# Altium PCB led-esp32s2.PcbDoc (continued)
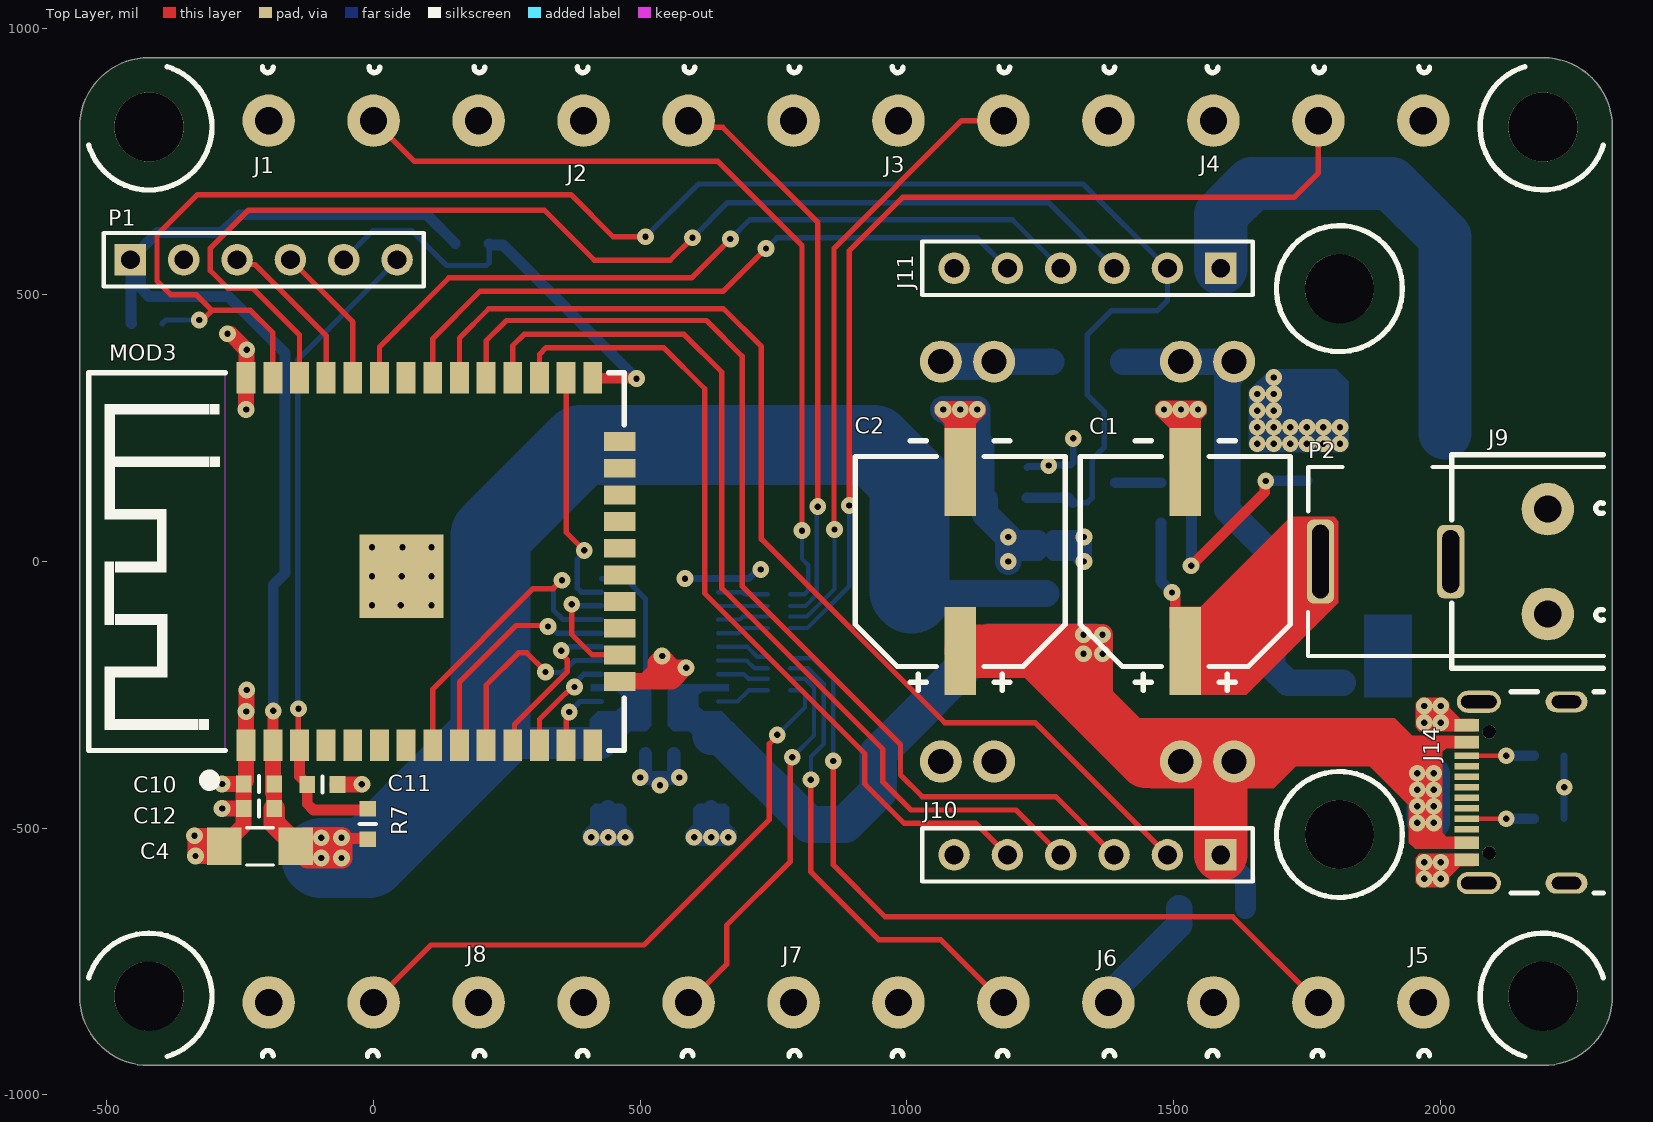
[diagram p0: Top Layer view]
## Footprints (in the part's own frame and the unit in brackets; to place one, negate y for a bottom-side part, rotate by r counter-clockwise, add the part's x,y. Pads: shape width x height; smd on the part's side, far side on the other; paste and mask are expansions set on the pad)
C_0603_1608 [mm]
  rect 0.75x0.8 smd: 1(-0.725,0) 2(0.725,0)
  silkscreen extent 0,-0.38 0,0.38, body extent -0.85,-0.45 0.85,0.45, height 0.89
C_1206_3216 [mil]
  rect 64x70 smd: 1(-67,0) 2(67,0)
  silkscreen extent -25,-35 25,35, body extent -67,-35 67,35, height 39
CE_D_10x10_SMD [mm]
  rect 4.2x1.5 smd: 1(-4.262,0) 2(4.262,0)
  silkscreen extent -6.13,-5 5.75,5, body extent -5.8,-5.15 5.8,5.15, height 10.21
DPAK_TO252-3_SC63_M [mm] "D-PAK, 3-Pads+1-heatsink, Body 6,20x6,60mm (max), IPC Medium Density"
  rect 2.5x1 smd: 1(-4.2,2.28) 3(-4.2,-2.28)
  rect 6.2x5.5 smd: 2(2.362,0)
  silkscreen extent -4.32,-3.3 -1.15,3.45, body extent -5.08,-3.37 5.02,3.37, height 2.37
FP-PW0020A-IPC_C [mm]
  rect 1.355x0.341 smd paste+0 mask+0: 1(-2.775,2.925)
  rrect100% 1.355x0.341 smd paste+0 mask+0: 2(-2.775,2.275) 3(-2.775,1.625) 4(-2.775,0.975) 5(-2.775,0.325) 6(-2.775,-0.325) 7(-2.775,-0.975) 8(-2.775,-1.625) 9(-2.775,-2.275) 10(-2.775,-2.925) 11(2.775,-2.925) 12(2.775,-2.275) 13(2.775,-1.625) 14(2.775,-0.975) 15(2.775,-0.325) 16(2.775,0.325) 17(2.775,0.975) 18(2.775,1.625) 19(2.775,2.275) 20(2.775,2.925)
  silkscreen extent -4.15,-3.25 1.6,3.25, body extent -3.2,-3.25 3.2,3.25, height 1.2
J_ARK2 [mm]
  round 2.5 hole 1.3: 1(-2.5,0) 2(2.5,0)
  silkscreen extent -5.08,-4.57 5.08,2.65, body extent -5,-4.6 5.6,3, height 10.05
J_ARK3 [mm]
  round 2.5 hole 1.3: 1(-5,0) 2(0,0) 3(5,0)
  silkscreen extent -5.29,2.29 5.29,2.57, body extent -7.46,-4.6 8.14,3, height 10.05
J_HEADER_1x6_2.54_VERTICAL [mm] "Connector; Header; 6 Position; Male-Female"
  rect 1.5x1.5 hole 0.9: 1(-6.35,0)
  round 1.5 hole 0.9: 2(-3.81,0) 3(-1.27,0) 4(1.27,0) 5(3.81,0) 6(6.35,0)
  silkscreen extent -7.87,-1.27 7.87,1.27, body extent -7.87,-1.27 7.87,1.27, height 8.5
J_USB_C_USB4105 [mm]
  rect 0.3x1.15 smd: A5(-1.25,4.755) A6(-0.25,4.755) A7(0.25,4.755) A8(1.25,4.755) B5(1.75,4.755) B6(0.75,4.755) B7(-0.75,4.755) B8(-1.75,4.755)
  rect 0.6x1.15 smd: AB49(-2.4,4.755) AB112(-3.2,4.755) BA49(2.4,4.755) BA112(3.2,4.755)
  round 0.65 hole 0.65 unplated: DNC(-2.89,3.68) DNC(2.89,3.68)
  oval 1x2 hole 0.6 slot 1.4 at 90 deg: MH(-4.32,0) MH(4.32,0)
  oval 1.05x2.1 hole 0.6 slot 1.7 at 90 deg: MH(-4.32,4.18) MH(4.32,4.18)
  silkscreen extent -4.79,-1.75 4.79,2.65, body extent -4.79,-2.6 4.79,5.11, height 3.31
MOD_BUCK_MP1584 [mm] "Normal"
  round 2 hole 1.2: 1(-9.525,-6.985) 2(-9.525,-4.445) 3(-9.525,4.445) 4(-9.525,6.985) 5(9.525,-6.985) 6(9.525,-4.445) 7(9.525,4.445) 8(9.525,6.985)
  body extent -11.25,-8.65 11.25,8.65, height 6.69
MOD_ESP_WROOM_32 [mm] "Normal"
  rect 1.5x0.9 smd: 1(-8.75,8.255) 2(-8.75,6.985) 3(-8.75,5.715) 4(-8.75,4.445) 5(-8.75,3.175) 6(-8.75,1.905) 7(-8.75,0.635) 8(-8.75,-0.635) 9(-8.75,-1.905) 10(-8.75,-3.175) 11(-8.75,-4.445) 12(-8.75,-5.715) 13(-8.75,-6.985) 14(-8.75,-8.255) 25(8.75,-8.255) 26(8.75,-6.985) 27(8.75,-5.715) 28(8.75,-4.445) 29(8.75,-3.175) 30(8.75,-1.905) 31(8.75,-0.635) 32(8.75,0.635) 33(8.75,1.905) 34(8.75,3.175) 35(8.75,4.445) 36(8.75,5.715) 37(8.75,6.985) 38(8.75,8.255)
  rect 0.9x1.5 smd: 15(-5.715,-9.55) 16(-4.445,-9.55) 17(-3.175,-9.55) 18(-1.905,-9.55) 19(-0.635,-9.55) 20(0.635,-9.55) 21(1.905,-9.55) 22(3.175,-9.55) 23(4.445,-9.55) 24(5.715,-9.55)
  rect 4x4 smd: EP1(-0.7,0.845)
  Keep-Out Layer region: -9.026,15.75 9,15.75 9,9.271 -9.026,9.271
  silkscreen extent -10.67,-9.75 9,15.75, body extent -9.05,-9.77 9.02,15.77, height 3
P_HEADER_1x6_2.54 [mm] "Connector; Header; 6 Position, Male"
  rect 1.5x1.5 hole 0.9: 1(-6.35,0)
  round 1.5 hole 0.9: 2(-3.81,0) 3(-1.27,0) 4(1.27,0) 5(3.81,0) 6(6.35,0)
  silkscreen extent -7.62,-1.27 7.62,1.27, body extent -7.52,-1.25 7.72,1.25, height 8.2
P_KLDX-0202-A [mm] "Connector; DC JACK"
  rrect50% 1.3x4 hole 0.8 slot 3.5 at 90 deg: 1(-6.2,0)
  rrect50% 1.3x3.5 hole 0.8 slot 3 at 90 deg: 2(0,0)
  silkscreen extent -6.8,-4.5 7.3,4.5, body extent -6.8,-4.5 7.7,4.9, height 10.8
R_0603_1608 [mm]
  rect 0.75x0.8 smd: 1(-0.725,0) 2(0.725,0)
  silkscreen extent -0.15,-0.3 0.15,0.3, body extent -0.87,-0.47 0.88,0.48, height 0.54
R_NC_0603_1608 [mm]
  rect 0.75x0.8 smd: 1(-0.725,0) 2(0.725,0)
  silkscreen extent 0,-0.38 0,0.38, body extent -0.87,-0.47 0.88,0.48, height 0.54
R_NC_1206_3216 [mil]
  rect 64x70 smd: 1(-67,0) 2(67,0)
  silkscreen extent -104,-40 104,40, body extent -64,-32 64,32, height 27
RN4_0804_2010 [mm]
  rrect55% 0.6x0.45 smd mask+0.05: 1(-0.525,0.8) 4(-0.525,-0.8) 5(0.525,-0.8) 8(0.525,0.8)
  rrect55% 0.6x0.35 smd mask+0.05: 2(-0.525,0.25) 3(-0.525,-0.25) 6(0.525,-0.25) 7(0.525,0.25)
  silkscreen extent 0,-1 0,1, body extent -0.5,-1 0.5,1, height 0.45
SOD123 [mm]
  rect 0.9x0.95 smd: 1(-1.575,0) 2(1.575,0)
  silkscreen extent -2.59,-0.79 2.34,0.79, body extent -1.86,-0.81 1.84,0.79, height 1.27
SOT23_TO236_SC59 [mil]
  rect 36x36 smd: 1(-37.5,-40) 2(37.5,-40)
  rect 36x50 smd: 3(0,40)
  silkscreen extent -57,-45 58,45, body extent -57,-55 57,55, height 51
SOT223_SC73 [mm]
  rect 1.5x2.5 smd: 1(-2.3,-3.2) 2(0,-3.2) 3(2.3,-3.2)
  rect 4.5x2.5 smd: 4(0,3.2)
  silkscreen extent -3.36,-0.25 3.34,2.9, body extent -3.36,-3.55 3.34,3.75, height 1.8

## Part data
C1 C2: library part CE_100uF_50V_AL2O3_10x10_20, "Polarized Capacitor", Dielectric=AL2O3, Manufacturer=Nichicon, Manufacturer Part Number=UUX1H101MNL1GS, Tolerance (%)=20, Voltage=50V, HelpURL=https://datasheet.octopart.com/UUX1H101MNL1GS-Nichicon-datasheet-62047998.pdf, Part Number=CE_100uF_50V_AL2O3_10x10_20, SCH_Footprint=10x10, Supplier 1=TME, Supplier 2="RS Components", Supplier 3=Farnell, Supplier 4=Mouser, Supplier 5=Digi-Key, Supplier 6=LCSC, Supplier Part Number 1=UUX1H101MNL1GS, Supplier Part Number 2=7393107, Supplier Part Number 3=2841943, Supplier Part Number 4=647-UUX1H101MNL1GS, Supplier Part Number 5=493-6269-1-ND
C3 C4 C6 C8 C13 C14: library part C_10uF_25V_X7R_1206_10, "Capacitor", Dielectric=X7R, Manufacturer=Samsung, Manufacturer Part Number=CL31B106KAHNNNE, Tolerance (%)=10, Voltage=25V, HelpURL=http://www.tme.eu/pl/Document/4a42202b32dab16128fe107dd69598cc/samsung-chip-cap.pdf, Part Number=C_10uF_25V_X7R_1206_10, SCH_Footprint=1206, Supplier 1=TME, Supplier 2="RS Components", Supplier 3=Farnell, Supplier 4=Mouser, Supplier 5=Digi-Key, Supplier 6=LCSC, Supplier Part Number 1=CL31B106KAHNNNE, Supplier Part Number 2=766-6773, Supplier Part Number 3=3013526, Supplier Part Number 4=187-CL31B106KAHNNNE, Supplier Part Number 5=1276-1804-1-ND
C7 C9 C10 C11 C12: library part C_100nF_50V_X7R_0603_5, "Capacitor", Dielectric=X7R, Manufacturer=Samsung, Manufacturer Part Number=CL10B104JB8NNNC, Tolerance (%)=5, Voltage=50V, HelpURL=http://www.tme.eu/pl/Document/4a42202b32dab16128fe107dd69598cc/samsung-chip-cap.pdf, Part Number=C_100nF_50V_X7R_0603_5, SCH_Footprint=0603, Supplier 1=TME, Supplier 2="RS Components", Supplier 3=Farnell, Supplier 4=Mouser, Supplier 5=Digi-Key, Supplier 6=LCSC, Supplier Part Number 1=CL10B104JB8NNNC, Supplier Part Number 2=7665455, Supplier Part Number 5=1276-1033-1-ND, Supplier Part Number 6=C24452
D1: library part D_1N4148W_0A15_75V_SOD123, Current=0.15A, Manufacturer=Vishay, Manufacturer Part Number=1N4148W-E3-08, Voltage=75, HelpURL=https://datasheet.octopart.com/1N4148W-E3-08-Vishay-datasheet-17291302.pdf, Part Number=D_1N4148W_0A15_75V_SOD123, SCH_Footprint=SOD123, Supplier 1=TME, Supplier 2="RS Components", Supplier 3=Farnell, Supplier 4=Mouser, Supplier 5=Digi-Key, Supplier 6=LCSC, Supplier Part Number 1=1N4148W-E3-08, Supplier Part Number 2=7003671, Supplier Part Number 3=2433353, Supplier Part Number 4=78-1N4148W-E3-08, Supplier Part Number 5=1N4148W-E3-08CT-ND
J1 J2 J3 J4 J5 J6 J7 J8: library part J_TB-5.0-P-3P, "ARK Screw terminal, 3-Pin", Manufacturer="DEGSON ELECTRONICS", Manufacturer Part Number=DG301-5.0-03P-12-18A(H), Supplier Part Number 1=DG301-5.0-3/6B, HelpURL=https://datasheet.octopart.com/DG301-5.0-03P-12-18A%28H%29-Degson-datasheet-17801202.pdf, Part Number=J_TB-5.0-P-3P, SCH_Footprint=ARK3, Supplier 1=TME, Supplier 2="RS Components", Supplier 3=Farnell, Supplier 4=Mouser, Supplier 5=Digi-Key, Supplier 6=LCSC
J9: library part J_TB-5.0-P-2P, "ARK Screw terminal, 2-Pin", Manufacturer="DEGSON ELECTRONICS", Manufacturer Part Number=DG301-5.0-02P-12-18A(H), Supplier Part Number 1=DG301-5.0-2/6B, HelpURL=https://datasheet.octopart.com/DG301-5.0-03P-12-18A%28H%29-Degson-datasheet-17801202.pdf, Part Number=J_TB-5.0-P-2P, SCH_Footprint=ARK2, Supplier 1=TME, Supplier 2="RS Components", Supplier 3=Farnell, Supplier 4=Mouser, Supplier 5=Digi-Key, Supplier 6=LCSC
J10 J11: library part J_HEADER_1x6_2.54_VERTICAL, "Pin Header", Manufacturer=Connfly, Manufacturer Part Number=DS1023-1*6S21, Supplier Part Number 1=ZL262-6SG, HelpURL=https://www.tme.eu/Document/584b1a60cf2e8809a936c5f5ff2de0d5/zl262-sg.pdf, Part Number=J_HEADER_1x6_2.54_VERTICAL, SCH_Footprint="1x6 2.54mm Vertical", Supplier 1=TME, Supplier 2="RS Components", Supplier 3=Farnell, Supplier 4=Mouser, Supplier 5=Digi-Key, Supplier 6=LCSC
J14: library part J_USB_C_USB4105-GF-A, Manufacturer=GCT, Manufacturer Part Number=USB4105-GF-A, HelpURL=https://www.mouser.pl/datasheet/2/837/USB4105-2888174.pdf, Part Number=J_USB_C_USB4105-GF-A, SCH_Footprint=SMD, Supplier 1=TME, Supplier 2="RS Components", Supplier 3=Farnell, Supplier 4=Mouser, Supplier 5=Digi-Key, Supplier 6=LCSC, Supplier Part Number 3=3588205, Supplier Part Number 4=640-USB4105-GF-A, Supplier Part Number 5=2073-USB4105-GF-ACT-ND
MOD1: library part MOD_BUCK_MP1584, Manufacturer=-, HelpURL=https://pl.aliexpress.com/item/32341006065.html, Manufacturer Part Number=-, Part Number=MOD_BUCK_MP1584, SCH_Footprint=17.3x22.5mm, Supplier 1=TME, Supplier 2="RS Components", Supplier 3=Farnell, Supplier 4=Mouser, Supplier 5=Digi-Key, Supplier 6=LCSC, Supplier 7=-, Supplier Part Number 7=-
MOD3: library part MOD_ESP32-WROOM-32, Manufacturer=ESPRESSIF, Manufacturer Part Number=ESP32-WROOM-32, HelpURL=https://www.espressif.com/sites/default/files/documentation/esp32_datasheet_en.pdf, Part Number=MOD_ESP32-WROOM-32, SCH_Footprint=MOD_ESP_WROOM_32, Supplier 1=TME, Supplier 2="RS Components", Supplier 3=Farnell, Supplier 4=Mouser, Supplier 5=Digi-Key, Supplier 6=LCSC, Supplier Part Number 1=ESP32-WROOM-32, Supplier Part Number 2=169-7594, Supplier Part Number 4=356-ESP-WROOM-32, Supplier Part Number 5=1904-1010-1-ND
P1: library part P_HEADER_1x6_2.54, "Pin Header", Manufacturer=Connfly, Manufacturer Part Number=DS1021-1*6SF1-1, Supplier Part Number 1=ZL201-06G, HelpURL=http://www.tme.eu/en/Document/cc301e58a5da78cb543a94b5a5b7f06a/DS1021.pdf, Part Number=P_HEADER_1x6_2.54, SCH_Footprint="1x6 2.54mm", Supplier 1=TME, Supplier 2="RS Components", Supplier 3=Farnell, Supplier 4=Mouser, Supplier 5=Digi-Key, Supplier 6=LCSC
P2: library part P_KLDX-0202-A, "Typical 3-pin jack power connector with switch", Manufacturer=Kycon, Manufacturer Part Number=KLDX-0202-A, HelpURL=http://www.kycon.com/2013Catalogpage/DC%20Power/KLDX_0202.pdf, Part Number=P_KLDX-0202-A, SCH_Footprint=THT, Supplier 1=TME, Supplier 2="RS Components", Supplier 3=Farnell, Supplier 4=Mouser, Supplier 5=Digi-Key, Supplier 6=LCSC, Supplier Part Number 3=2839850, Supplier Part Number 4=806-KLDX-0202-A, Supplier Part Number 5=2092-KLDX-0202-A-ND
Q1: library part QNS_IRLR8726PBF, Current=86A, Manufacturer=Infineon, Voltage=30V, HelpURL=http://www.mouser.com/ds/2/196/irlr8726pbf-938054.pdf, Manufacturer Part Number=IRLR8726PBF, Part Number=QNS_IRLR8726PBF, SCH_Footprint=DPAK, Supplier 1=TME, Supplier 2="RS Components", Supplier 3=Farnell, Supplier 4=Mouser, Supplier 5=Digi-Key, Supplier 6=LCSC, Supplier Part Number 1=IRLR8726PBF, Supplier Part Number 4=942-IRLR8726PBF, Supplier Part Number 5=IRLR8726PBF-ND, Type=N-MOS
Q2: library part QN_2N7002K-7, Current=0A8, Manufacturer="Diodes Inc", Voltage=60V, HelpURL=http://datasheet.octopart.com/2N7002K-7-Diodes-Inc.-datasheet-12515815.pdf, Manufacturer Part Number=2N7002K-7, Part Number=QN_2N7002K-7, SCH_Footprint=SOT23, Supplier 1=TME, Supplier 2="RS Components", Supplier 3=Farnell, Supplier 4=Mouser, Supplier 5=Digi-Key, Supplier 6=LCSC, Supplier Part Number 2=7703383, Supplier Part Number 3=1713825, Supplier Part Number 4=621-2N7002K-7, Supplier Part Number 5=2N7002K-7DICT-ND, Type=N-MOS
R1 R2: library part R_5.1k_0603_1, Manufacturer=Yageo, Manufacturer Part Number=RC0603FR-135K1L, Power=100mW, Tolerance=1%, Voltage=75V, HelpURL=https://octopart.com/datasheet/rc0603fr-135k1l-yageo-25911767, Part Number=R_5.1k_0603_1, SCH_Footprint=0603, Supplier 1=TME, Supplier 2="RS Components", Supplier 3=Farnell, Supplier 4=Mouser, Supplier 5=Digi-Key, Supplier 6=LCSC, Supplier Part Number 4=603-RC0603FR-135K1L, Supplier Part Number 5=13-RC0603FR-135K1LCT-ND
R3 R4 R5: library part R_10k_0603_1, Manufacturer=Vishay, Manufacturer Part Number=CRCW060310K0FKTA, Power=100mW, Supplier Part Number 1=CRCW060310K0FKTABC, Tolerance=1%, Voltage=75V, HelpURL=https://octopart.com/datasheet/crcw060310k0fkta-vishay-39447548, Part Number=R_10k_0603_1, SCH_Footprint=0603, Supplier 1=TME, Supplier 2="RS Components", Supplier 3=Farnell, Supplier 4=Mouser, Supplier 5=Digi-Key, Supplier 6=LCSC, Supplier Part Number 3=1652827, Supplier Part Number 4=71-CRCW0603-10K, Supplier Part Number 5=541-2980-1-ND
R6: library part R_0R_0603_1, Manufacturer=Yageo, Manufacturer Part Number=RC0603FR-070RL, Power=100mW, Tolerance=1%, Voltage=75V, HelpURL=https://datasheet.octopart.com/RC0603FR-070RL-Yageo-datasheet-8328172.pdf, Part Number=R_0R_0603_1, SCH_Footprint=0603, Supplier 1=TME, Supplier 2="RS Components", Supplier 3=Farnell, Supplier 4=Mouser, Supplier 5=Digi-Key, Supplier 6=LCSC, Supplier Part Number 1=RC0603FR-070RL, Supplier Part Number 3=2309106, Supplier Part Number 4=603-RC0603FR-070RL, Supplier Part Number 5=311-0.0HRCT-ND, Supplier Part Number 6=C100044
R7 R10: library part R_10k_0603_1_AECQ0, Manufacturer=Panasonic, Manufacturer Part Number=ERJ-3EKF1002V, Power=100mW, Supplier Part Number 1=ERJ3EKF1002V, Tolerance=1%, Voltage=75V, AEC-Q=0, HelpURL=https://industrial.panasonic.com/cdbs/www-data/pdf/RDA0000/AOA0000C304.pdf, Part Number=R_10k_0603_1_AECQ0, SCH_Footprint=0603, Supplier 1=TME, Supplier 2="RS Components", Supplier 3=Farnell, Supplier 4=Mouser, Supplier 5=Digi-Key, Supplier 6=LCSC, Supplier Part Number 3=2303192, Supplier Part Number 4=667-ERJ-3EKF1002V, Supplier Part Number 5=P10.0KHCT-ND, Supplier Part Number 6=C191124
R8: library part R_GENERIC_1206, Manufacturer=-, HelpURL=-, Manufacturer Part Number=-, Part Number=R_GENERIC_1206, SCH_Footprint=1206, Supplier 1=TME, Supplier 2="RS Components", Supplier 3=Farnell, Supplier 4=Mouser, Supplier 5=Digi-Key, Supplier 6=LCSC
R9: library part R_GENERIC_0603, Manufacturer=-, HelpURL=-, Manufacturer Part Number=-, Part Number=R_GENERIC_0603, SCH_Footprint=0603, Supplier 1=TME, Supplier 2="RS Components", Supplier 3=Farnell, Supplier 4=Mouser, Supplier 5=Digi-Key, Supplier 6=LCSC
RN1 RN2: library part RN4_120R_0804_5, Manufacturer=Panasonic, Manufacturer Part Number=EXB-28V121JX, Power=63mW, Tolerance=5%, Voltage=50V, HelpURL=http://industrial.panasonic.com/cdbs/www-data/pdf/AOC0000/AOC0000C14.pdf, Part Number=RN4_120R_0804_5, SCH_Footprint=0804, Supplier 1=TME, Supplier 2="RS Components", Supplier 3=Farnell, Supplier 4=Mouser, Supplier 5=Digi-Key, Supplier 6=LCSC, Supplier Part Number 3=2060045, Supplier Part Number 4=667-EXB-28V121JX, Supplier Part Number 5=Y7121CT-ND
U1: library part CMP-2000-04956-2, "IC TRNSLTR BIDIRECTIONAL 20TSSOP", Case/Package=TSSOP, High Level Output Current=-50mA, Low Level Output Current=50mA, Max Operating Temperature=85°C, Max Supply Voltage=5.5V, Min Operating Temperature=-40°C, Min Supply Voltage=1.2V, Nominal Supply Current=8uA, Output Current=620uA, Package Quantity=1, Quiescent Current=3uA, Contact Plating=Gold, Data Rate=60Mbps, Height=1.15mm, Lead Free="Lead Free", Length=6.5mm, Logic Function=Translator, Mount="Surface Mount", Number of Bits=8, Number of Channels=8, Number of Inputs=8, Number of Pins=20, Output Type=Voltage, Packaging="Tape and Reel", Propagation Delay=4.8ns, Radiation Hardening=No, REACH SVHC="No SVHC", Rise Time=6.3ns, RoHS Compliant=Yes, Series=-, Supply Current=8uA, Termination=SMD/SMT, Turn-On Delay Time=312ns, Weight=0.002716oz, Width=4.4mm
U2: library part VL_LD1117AS33TR_3V3_1A2, "typical configuration", Current=1.2A, Manufacturer=STMicroelectronics, Supplier Part Number 1=LD1117AS33, Voltage=3.3V, HelpURL=http://www.tme.eu/pl/Document/bad00e7fc591b73ff810af309b2bb7a4/LD1117A.pdf, Manufacturer Part Number=LD1117AS33TR, Part Number=VL_LD1117AS33TR_3V3_1A2, SCH_Footprint=SOT223, Supplier 1=TME, Supplier 2="RS Components", Supplier 3=Farnell, Supplier 4=Mouser, Supplier 5=Digi-Key, Supplier 6=LCSC, Supplier Part Number 3=1467776, Supplier Part Number 4=LD1117AS33, Supplier Part Number 5=497-1228-1-ND

## Free pads (board coordinates)
  round 129.92 hole 129.92 unplated: ""(-421.26,-814.96) ""(-421.26,814.96) ""(1811.02,-511.81) ""(1811.02,511.81) ""(2192.91,-814.96) ""(2192.91,814.96)

## Via types
v1: diameter 31.5, hole 11.81, Top Layer to Bottom Layer, tented both sides, 115 vias

## Nets (pads, with @x,y where several pads share a name; then routed paths per layer and width w, separated by ;. In a path a pad name is that pad's centre, name@x,y a point inside that pad or via, vN(x,y) a via of type N, cw(c..) or ccw(c..) an arc to the next point about the centre after c; other vN are vias at no path point)
+3.3V: C4.1 C6.1 C7.1 C10.1 C12.1 C13.1 C14.1 MOD3.2 P1.1 R7.1 R9.1 R10.1 U1.2 U1.10 U2.2 U2.4 | length 5083.3
  Top Layer w20: MOD3.2 -188.5,-343.99 -188.5,-280.5 v1(-188,-280) ; v1(-60,-518) -58.73,-519.27 -12.27,-519.27 R7.1
  Top Layer w30: MOD3.2 -189,-433 -186.69,-435.31 -186.69,-462.76 C12.1
  Top Layer w40: C12.1 -186.46,-490.54 C4.1@-146,-531 ; C4.1@-146,-531 -134,-519 -131,-519 -130,-518 v1(-98,-518) v1(-60,-518) v1(-60,-556) v1(-98,-556) -124,-556 -131,-549 -134,-549 -146,-537 C4.1 C4.1@-146,-531
  Bottom Layer w10: U1.10 472,-32 510,-70 C7.1
  Bottom Layer w20: R9.1 -454.77,447.23 -454.77,546.47 P1.1@-436.47,546.47 ; v1(-188,-280) -188,-44 -166,-22 -166,391 -272,497 -421,497 -436.47,512.47 P1.1@-436.47,546.47 ; R10.1@153,596 153,596.98 99.98,650 -251,650 -284.11,616.89 -405.11,616.89 P1.1 P1.1@-436.47,546.47
  Bottom Layer w50: U2.4 U2.2
  Bottom Layer w60: 206,-340 426,-340 426,-339 437,-328 C6.1
  Bottom Layer w150: v1(-98,-556) -10,-556 219,-327 219,49 389,219 937,219 C14.1@1009.02,146.98 ; C14.1 1005,-55.98 U2.4
+5V: C2.1 C8.1 C9.1 D1.2 J10.1 J14.AB49 J14.BA49 MOD1.5 MOD1.6 R8.2 U1.19 U2.3 | length 3704.7
  Top Layer w30: 1151.61,-137.29 1120.47,-168.42 1125.05,-173 1246,-173 v1(1331,-173) ; 1241.42,-168.42 1254.7,-155.14 1331,-155.14 ; 1326,-253 1331,-248 ; v1(1331,-137) 1331,-137.29 1331,-155.14 ; 1348.86,-137.29 1348.86,-155.14 ; 1366.71,-155.14 1348.86,-155.14 ; v1(1367,-173) 1366.71,-173 1348.86,-173 ; 1331,-248 1348.86,-230.14 1348.86,-173 ; 1331,-248 v1(1331,-173) ; v1(1331,-173) 1331,-155.14 ; v1(1331,-173) 1348.86,-173 ; 1331,-155.14 1348.86,-155.14 ; 1348.86,-173 1348.86,-155.14
  Top Layer w40: 1151.61,-137.29 1331,-137.29 1348.86,-137.29 v1(1366.71,-137.29) 1366.71,-155.14 1366.71,-173 1366.71,-293.71
  Top Layer w100: C2.1@1120.47,-168.42 1241.42,-168.42 1246,-173 1326,-253 1366.71,-293.71 1448,-375 MOD1.6 MOD1.5 1588.58,-400 J10.1
  Bottom Layer w30: C8.1@646,-330 C8.1@654,-330 ; v1(1331,-173) 1331,-150.55 v1(1331,-137) ; v1(1331,-173) 1349,-173 ; v1(1331,-173) 1330.6,-173 1322.67,-165.08 1275.51,-165.08 U2.3 1274.25,-137.29 1330.71,-137.29 v1(1331,-137) ; v1(1331,-137) 1348.71,-137 ; 1348.71,-137 1348.71,-150.55 1348.71,-172.71 1349,-173 ; 1348.71,-137 1366.43,-137 v1(1366.71,-137.29) 1366.71,-172.71 v1(1367,-173) 1349,-173
  Bottom Layer w40: J10.1 1635.01,-596.43 D1.2 ; v1(1957,-428) v1(1957,-459) v1(1957,-490) v1(1988,-490)
  Bottom Layer w60: v1@1957,-422 1897,-362 R8.2@1897,-359 ; v1(1957,-397) v1(1988,-428) ; 1972.5,-412.5 v1(1988,-428) ; 1972.5,-381.5 v1(1988,-397) ; v1(1988,-490) v1(1988,-459) v1(1988,-428) ; R8.2@1897,-359 1950,-359 v1(1988,-397) ; R8.2@1897,-359 1894,-359 R8.2 1895,-357 R8.2@1897,-359 ; v1(1988,-428) v1(1988,-397)
  Bottom Layer w70: C8.1 652,-328 654,-330 817,-493 884,-493 946,-431 946,-359.38 1154.83,-150.55 U2.3 1331,-150.55 1348.71,-150.55
ESP_BOOT: MOD3.25 P1.5 R10.2 | length 823.3
  Top Layer w20: MOD3.25 411.74,343.74 492.26,343.74 v1(493,343)
  Bottom Layer w10: P1.5 -2,620 72,620 137,555 211.21,555 217.07,560.86 R10.2@217.07,595.48
  Bottom Layer w20: R10.2 219.1,593.44 242.56,593.44 v1(493,343)
ESP_EN: C11.1 MOD3.3 P1.6 R7.2 | length 1224
  Top Layer w10: v1(-141,-276) -141,-342.49 MOD3.3
  Top Layer w20: MOD3.3 -139,-402.56 -124.54,-417.02 C11.1 -124.54,-454.28 -112.83,-466 -13.54,-466 R7.2
  Bottom Layer w10: v1(-141,-276) -142,-275 -142,379 44,565 P1.6
EXT0: J10.2 MOD3.30 | length 2060.5
  Top Layer w10: MOD3.30 161,419 216,474 656,474 727,403 727,42 1071,-302 1240.58,-302 J10.2
EXT1: J11.3 MOD3.36 | length 2204.8
  Top Layer w10: MOD3.36 -139,425 -226.75,512.75 -273.46,512.75 -306,545.29 -306,581.15 -306.53,581.68 -306.53,586.93 -234.46,659 320,659 414,565 556,565 v1(598,607) ; J11.3@1384.33,545.75 J11.3
  Bottom Layer w10: v1(598,607) 664,673 1265.58,673 J11.3
EXT2: J10.3 MOD3.29 | length 1968.7
  Top Layer w10: MOD3.29 211,414 249,452 624,452 691,385 691,-46 988,-343 988,-400 1029,-441 1279.58,-441 1380.17,-541.58 1388.58,-541.58 J10.3
EXT3: J11.4 MOD3.33 | length 1471.8
  Top Layer w10: MOD3.33 11,402 141,532 596,532 v1(669,605)
  Bottom Layer w10: v1(669,605) 705,641 1197.58,641 J11.4
EXT4: J10.4 MOD3.28 | length 1774
  Top Layer w10: MOD3.28 261,405 282,426 582,426 653,355 653,-50 955,-352 955,-413 1008,-466 1204.58,-466 J10.4
EXT5: J11.5 MOD3.31 | length 1253
  Top Layer w10: MOD3.31 111,418 200,507 656,507 v1(736,587)
  Bottom Layer w10: v1(736,587) 756,607 1131.58,607 J11.5
EXT6: J10.5 MOD3.27 | length 1579
  Top Layer w10: MOD3.27 311,388.45 323.55,401 544,401 621,324 621,-60 921,-360 921,-417 995,-491 1129.58,-491 J10.5
GND: C1.2 C2.2 C3.2 C4.2 C6.2 C7.2 C8.2 C9.2 C10.2 C11.2 C12.2 C13.2 C14.2 J1.3 J2.3 J3.3 J4.3 J5.3 J6.3 J7.3 J8.3 J9.2 J10.6 J11.6 J14.AB112 J14.BA112 J14.MH MOD1.3 MOD1.4 MOD1.7 MOD1.8 MOD3.1 MOD3.15 MOD3.38 MOD3.EP1 P1.2 P2.2 Q2.2 R1.2 R2.2 R5.2 U1.11 U2.1 | length 2992.1
  Top Layer w30: v1(-284,-463) C12.2 ; v1(-284,-417) C10.2 ; v1(-274,427) -273.71,426.71 -268.12,426.71 -238.4,397 v1(-238,397) -238.29,396.71 -238.29,345.2 MOD3.38 v1(-239,285) ; v1(-238,-241) -238,-241.4 -238.71,-242.12 -238.71,-280.71 v1(-239,-281) MOD3.1 -239,-411.94 -243.54,-416.49 C10.2 ; C11.2 -67.46,-417.93 -67.22,-417.69 v1(-22,-417.69) ; MOD3.EP1@-1.83,27 v1(52.73,-27.56) ; v1@-334.29,-516.12 -315.36,-535.05 -315.36,-551.71 ; v1@-334.29,-516.12 -336,-514.4 v1(-336,-514) -335.71,-514.29 -297,-514.29 C4.2@-280,-531.29 ; v1@-334.29,-516.12 -334.29,-551.71 v1(-334,-552) -333.71,-551.71 -315.36,-551.71 ; -315.36,-551.71 -297,-551.71 -280,-534.71 C4.2 C4.2@-280,-531.29 ; C4.2@-280,-531.29 -280,-531 -243.78,-494.78 -243.78,-463.24 C12.2 ; C12.2 C10.2 ; v1(541,-177) 541.29,-177.29 541.29,-206.69 559.6,-225 ; v1(541,-177) 541.4,-177 563.12,-198.71 585.71,-198.71 v1(586,-199) 585.6,-199 559.6,-225 ; v1(541,-177) 529,-189 529,-204 509.28,-223.72 463.27,-223.72 MOD3.15 559.6,-225
  Bottom Layer w13: v1(584,-32) 703.99,-32 720.99,-15 v1(726,-15) ; R5.2 1226.73,178.27 1264.27,178.27 1267.02,181.02 1306.52,181.02 1312,186.5 v1(1312,231) ; R2.2 v1(2232.54,-423.16) R1.2
  Bottom Layer w25: v1@510,-393.24 C7.2 ; v1@563,-393.24 C9.2 ; v1(500,-405) v1(573,-405) 571.76,-406.24 551.89,-406.24 538.76,-419.38 v1(537,-419.38) 535.24,-419.38 522.11,-406.24 501.24,-406.24 v1(500,-405)
  Bottom Layer w30: v1(440,-516.88) C6.2 ; v1(633,-516.88) C8.2 ; v1(1190,0) 1190.4,0 1206.43,16.02 1246.02,16.02 U2.1@1258,28 ; v1(1190,46) 1190.4,46 1191.9,44.5 1247.03,44.5 U2.1 1274.94,44.5 1330.07,44.5 1331.56,46 v1(1331.97,46) v1(1331.97,0) 1331.56,0 1315.54,16.02 1275.94,16.02 U2.1@1263.97,28
  Bottom Layer w50: v1(1067.97,285) v1@1073,285 ; v1(1131.97,285) v1(1099.97,285) v1@1073,285 ; v1(1131.97,285) C13.2@1132,229 ; MOD1.3@1164.08,374.5 C3.2@1270.67,374.5 ; v1(1190,0) v1(1190,46) 1146,90 1146,116 C14.2 C13.2 1132,226 C13.2@1132,229 ; v1@1073,285 1129,229 C13.2@1132,229
  Bottom Layer w70: MOD1.4 MOD1.3
  other v1: 1970,-595 2001,-595 1970,-564 2001,-564 408,-516.88 472,-516.88 601,-516.88 665,-516.88 1970,-302 2001,-302 1970,-271 2001,-271 -3,-82.12 51,-82.12 108.46,-82.12 -3,-27.56 108.46,-27.56 -3,27 54.2,27 108.46,27 1266,180 1481.97,285.2 1513.97,285.2 1545.97,285.2
LED0: J1.2 RN2.5 | length 1589.2
  Top Layer w10: J1.2 76,750.77 645.23,750.77 803.25,592.75 v1(803.25,58)
  Bottom Layer w8: RN2.5 807.5,-61.5 815,-54 815,-7.05 803.25,4.69 v1(803.25,58)
LED0_3.3: MOD3.26 U1.9 | length 462.4
  Top Layer w10: MOD3.26 361,55 v1(395,21)
  Bottom Layer w10: v1(395,21) 395,17.39 382,4.39 382,-50.09 389.5,-57.59 U1.9
LED1: J2.2 RN2.6 | length 1079.4
  Top Layer w10: J2.2 603.09,814.24 654.76,814.24 833,636 v1(833,103)
  Bottom Layer w8: RN2.6 809.84,-83.16 831,-62 831,101 v1(833,103)
LED1_3.3: MOD3.16 U1.8 | length 219.9
  Top Layer w10: v1(371.52,-80.02) 371.52,-136.52 410,-175 MOD3.16
  Bottom Layer w10: v1(371.52,-80.02) 374.68,-83.18 U1.8
LED2: J3.2 RN2.7 | length 1161
  Top Layer w10: v1(864.25,60) 863.25,61 863.25,587.25 1102.77,826.77 J3.2
  Bottom Layer w8: RN2.7 812.78,-102.84 864.25,-51.38 v1(864.25,60)
LED2_3.3: MOD3.8 U1.7 | length 592.4
  Top Layer w10: MOD3.8 111,-239 299.26,-50.74 336.65,-50.74 352.39,-35 v1(353.25,-35)
  Bottom Layer w10: v1(353.25,-35) 337.26,-50.99 337.26,-91.26 354.77,-108.77 U1.7
LED3: J4.2 RN2.8 | length 1811.1
  Top Layer w10: v1(892,105) 892,583 992,683 1726,683 1771.65,728.65 J4.2
  Bottom Layer w8: RN2.8 813.76,-124.5 892,-46.25 v1(892,105)
LED3_3.3: MOD3.9 U1.6 | length 434.6
  Top Layer w10: MOD3.9 161,-226 267,-120 325.34,-120 v1(327.17,-121.83)
  Bottom Layer w10: v1(327.17,-121.83) 331.24,-121.83 343.78,-134.36 U1.6
LED4: J5.2 RN1.5 | length 1463.9
  Top Layer w10: v1(862,-374) 862,-569 959,-666 1610.88,-666 J5.2
  Bottom Layer w8: RN1.5 783.43,-181.27 823.27,-181.27 862,-220 v1(862,-374)
LED4_3.3: MOD3.11 U1.5 | length 302.5
  Top Layer w10: MOD3.11 264.18,-341.31 264.18,-305.82 363,-207 363,-183.61 352,-172.61 v1(352,-167)
  Bottom Layer w10: v1(352,-167) 357.82,-167 364.86,-159.95 U1.5
LED5: J6.2 RN1.6 | length 900.3
  Top Layer w10: v1(820,-409) 820,-582 947,-709 1063.33,-709 J6.2
  Bottom Layer w8: RN1.6 814.44,-200.16 844,-229.72 844,-342 820,-366 v1(820,-409)
LED5_3.3: MOD3.10 U1.4 | length 379.1
  Top Layer w10: MOD3.10 211,-232 271.84,-171.16 287.16,-171.16 322.17,-206.17 v1(322.17,-207.17)
  Bottom Layer w10: v1(322.17,-207.17) 323,-208 354,-208 376.46,-185.54 U1.4
LED6: J7.2 RN1.7 | length 739.3
  Top Layer w10: J7.2 662,-755.32 662,-682 781,-563 781,-371 v1(785,-367)
  Bottom Layer w8: RN1.7 808.67,-219.84 825.62,-236.79 825.62,-326.38 v1(785,-367)
LED6_3.3: MOD3.12 U1.3 | length 203.9
  Top Layer w10: MOD3.12 311,-295.78 359.78,-247 360.24,-247 371.94,-235.3 v1(376.85,-235.3)
  Bottom Layer w10: v1(376.85,-235.3) 376.85,-229.49 385.3,-221.04 385.3,-220.27 394.43,-211.13 U1.3
LED7: J8.2 RN1.8 | length 1179.7
  Top Layer w10: J8.2 107.77,-719 507,-719 742,-484 742,-341.61 757,-326.61 v1(757,-325)
  Bottom Layer w8: v1(757,-325) 808.92,-273.08 808.92,-246.18 804.23,-241.5 RN1.8
LED7_3.3: MOD3.13 U1.1 | length 133.4
  Top Layer w10: MOD3.13 361,-293.82 367,-287.82 v1(367,-282)
  Bottom Layer w10: v1(367,-282) 386.68,-262.32 U1.1
LED_EN: J11.2 MOD3.37 Q2.1 R5.1 R9.2 | length 3292.3
  Top Layer w10: v1(-327,453) -321.18,453 -303.18,471 ; MOD3.37 -189,429 -231,471 -303.18,471 ; v1(510,609) 449.09,609 370.09,688 -306,688 -330,688 -406,612 -406,526 -380,500 -332.18,500 -303.18,471
  Bottom Layer w10: R9.2 -389.46,453 v1(-327,453) ; v1(510,609) 609,708 1330.58,708 J11.2 1488.58,489.58 1469,470 1383,470 1338,425 1338,313 1370,281 1370,214 1347.5,191.5 1347.5,119.5 1338.5,110.5 Q2.1
  Bottom Layer w20: R5.1 1302.04,119.46 Q2.1
NetC3_1: C3.1 MOD1.1 MOD1.2 R6.2 | length 965.2
  Bottom Layer w50: C3.1@1405.67,374.5 MOD1.1@1613.08,374.5 ; MOD1.1 MOD1.1@1613.08,374.5 ; R6.2 1714.29,-227 1685,-197.71 1685,13 1600.46,97.54 1600.46,169 1600.46,341.55 1608.08,349.18 1608.08,369.5 MOD1.1@1613.08,374.5
NetJ14_A5: J14.A5 R2.1 | length 125.7
  Top Layer w8: J14.A5 v1(2123.79,-482.21)
  Bottom Layer w20: v1(2123.79,-482.21) R2.1
NetJ14_B5: J14.B5 R1.1 | length 125.7
  Top Layer w8: J14.B5 v1(2123.79,-364.1)
  Bottom Layer w20: v1(2123.79,-364.1) R1.1
NetQ1_1: Q1.1 R3.1 R4.1 | length 452.2
  Top Layer w20: v1(1533,-8) 1670.8,129.8 1670.8,148.8 v1(1673,151)
  Bottom Layer w20: v1(1533,-8) 1533.54,-7.46 R3.1 ; R4.1 R3.1 ; R3.1@1534.43,72.12 R3.1 ; v1(1673,151) 1673.24,151.24 Q1.1
NetQ2_3: Q2.3 R4.2 | length 85.5
  Bottom Layer w20: Q2.3 R4.2
NetRN1_1: RN1.1 U1.20 | length 102.2
  Bottom Layer w8: U1.20 682.68,-262.32 703.5,-241.5 RN1.1
NetRN1_2: RN1.2 U1.18 | length 97.2
  Bottom Layer w8: U1.18 694.13,-211.13 702.84,-219.84 RN1.2
NetRN1_3: RN1.3 U1.17 | length 99.6
  Bottom Layer w8: U1.17 699.54,-185.54 714.16,-200.16 RN1.3
NetRN1_4: RN1.4 U1.16 | length 101.2
  Bottom Layer w8: U1.16 700.95,-159.95 719.5,-178.5 RN1.4
NetRN2_1: RN2.1 U1.15 | length 97.6
  Bottom Layer w8: U1.15 683.64,-134.36 693.5,-124.5 RN2.1
NetRN2_2: RN2.2 U1.14 | length 96
  Bottom Layer w8: U1.14 686.6,-108.77 692.53,-102.84 RN2.2
NetRN2_3: RN2.3 U1.13 | length 93.6
  Bottom Layer w8: U1.13@645.79,-83.17 RN2.3
NetRN2_4: RN2.4 U1.12 | length 95.2
  Bottom Layer w8: U1.12 691.59,-57.59 695.5,-61.5 RN2.4
RXD0: MOD3.34 P1.4 | length 270
  Top Layer w10: P1.4 -39,449 MOD3.34
TXD0: MOD3.35 P1.3 | length 305.3
  Top Layer w10: P1.3 -247.01,557.01 -222.01,557.01 -89,424 MOD3.35
VIN: C1.1 J9.1 J11.1 P2.1 Q1.2 R3.2 R6.1 R8.1 | length 1213.6
  Top Layer w20: v1(1497,-58) 1497,-61.11 1503.02,-67.13 1503.02,-148.81 C1.1
  Bottom Layer w20: R3.2 1476.46,-37.46 v1(1497,-58)
  Bottom Layer w100: J11.1 1588.58,650.42 1647.16,709 1908,709 2009,608 Q1.2
VLED: D1.1 J1.1 J2.1 J3.1 J4.1 J5.1 J6.1 J7.1 J8.1 Q1.3 | length 231.9
  Bottom Layer w50: J6.1 1377.95,-813.67 1457.93,-733.69 1510.99,-680.63 D1.1
  other v1: 1657,221 1688,221 1719,221 1750,221 1781,221 1812,221 1657,252 1688,252 1719,252 1750,252 1781,252 1812,252 1657,283 1688,283 1657,314 1688,314 1688,345
pads on no net: J14.A6 J14.A7 J14.A8 J14.B6 J14.B7 J14.B8 J14.DNC MOD3.4 MOD3.5 MOD3.6 MOD3.7 MOD3.14 MOD3.17 MOD3.18 MOD3.19 MOD3.20 MOD3.21 MOD3.22 MOD3.23 MOD3.24 MOD3.32

## Polygon pours and split planes (outlines as drawn)
VIN on Bottom Layer "+5V" (solid, remove dead copper, pour order 0): 1900,343 2328,343 2331,340 2331,-183 2325,-177 1742,-177 1733,-168 1733,101 1749,117 1811,117 1830,136
VLED on Layer 2 (split plane): 2201.54,924.53 2210.11,923.51 2218.57,921.83 2226.88,919.49 2234.97,916.5 2242.81,912.89 2250.34,908.67 2257.51,903.88 2264.29,898.53 2270.63,892.68 2276.49,886.34 2281.83,879.56 2286.62,872.39 2290.84,864.86 2294.45,857.02 2297.44,848.92 2299.78,840.62 2301.47,832.15 2302.48,823.58 2302.8,815.55 2302.74,814.96 2302.74,-814.96 2302.8,-815.55 2302.48,-823.58 2301.47,-832.15 2299.78,-840.62 2297.44,-848.92 2294.45,-857.02 2290.84,-864.86 2286.62,-872.39 2281.83,-879.56 2276.49,-886.34 2270.63,-892.68 2264.29,-898.53 2257.51,-903.88 2250.34,-908.67 2242.81,-912.89 2234.97,-916.5 2226.88,-919.49 2218.57,-921.83 2210.11,-923.51 2201.54,-924.53 2193.5,-924.84 2192.91,-924.79 -421.26,-924.79 -421.85,-924.84 -429.88,-924.53 -438.45,-923.51 -446.92,-921.83 -455.22,-919.49 -463.32,-916.5 -471.16,-912.89 -478.69,-908.67 -485.86,-903.88 -492.64,-898.53 -498.98,-892.68 -504.83,-886.34 -510.18,-879.56 -514.97,-872.39 -519.19,-864.86 -522.8,-857.02 -525.79,-848.92 -528.13,-840.62 -529.81,-832.15 -530.83,-823.58 -531.14,-815.55 -531.08,-814.96 -531.08,814.96 -531.14,815.55 -530.83,823.58 -529.81,832.15 -528.13,840.62 -525.79,848.92 -522.8,857.02 -519.19,864.86 -514.97,872.39 -510.18,879.56 -504.83,886.34 -498.98,892.68 -492.64,898.53 -485.86,903.88 -478.69,908.67 -471.16,912.89 -463.32,916.5 -455.22,919.49 -446.92,921.83 -438.45,923.51 -429.88,924.53 -421.85,924.84 -421.26,924.79 2192.91,924.79 2193.5,924.84
GND on Layer 1 (split plane): 2201.54,924.53 2210.11,923.51 2218.57,921.83 2226.88,919.49 2234.97,916.5 2242.81,912.89 2250.34,908.67 2257.51,903.88 2264.29,898.53 2270.63,892.68 2276.49,886.34 2281.83,879.56 2286.62,872.39 2290.84,864.86 2294.45,857.02 2297.44,848.92 2299.78,840.62 2301.47,832.15 2302.48,823.58 2302.8,815.55 2302.74,814.96 2302.74,-814.96 2302.8,-815.55 2302.48,-823.58 2301.47,-832.15 2299.78,-840.62 2297.44,-848.92 2294.45,-857.02 2290.84,-864.86 2286.62,-872.39 2281.83,-879.56 2276.49,-886.34 2270.63,-892.68 2264.29,-898.53 2257.51,-903.88 2250.34,-908.67 2242.81,-912.89 2234.97,-916.5 2226.88,-919.49 2218.57,-921.83 2210.11,-923.51 2201.54,-924.53 2193.5,-924.84 2192.91,-924.79 -421.26,-924.79 -421.85,-924.84 -429.88,-924.53 -438.45,-923.51 -446.92,-921.83 -455.22,-919.49 -463.32,-916.5 -471.16,-912.89 -478.69,-908.67 -485.86,-903.88 -492.64,-898.53 -498.98,-892.68 -504.83,-886.34 -510.18,-879.56 -514.97,-872.39 -519.19,-864.86 -522.8,-857.02 -525.79,-848.92 -528.13,-840.62 -529.81,-832.15 -530.83,-823.58 -531.14,-815.55 -531.08,-814.96 -531.08,814.96 -531.14,815.55 -530.83,823.58 -529.81,832.15 -528.13,840.62 -525.79,848.92 -522.8,857.02 -519.19,864.86 -514.97,872.39 -510.18,879.56 -504.83,886.34 -498.98,892.68 -492.64,898.53 -485.86,903.88 -478.69,908.67 -471.16,912.89 -463.32,916.5 -455.22,919.49 -446.92,921.83 -438.45,923.51 -429.88,924.53 -421.85,924.84 -421.26,924.79 2192.91,924.79 2193.5,924.84

## Other copper
Top Layer:
  region net +5V: 1379,-273 1400,-294 1915,-294 2002,-381 2002,-445 1988,-459 1943,-459 1868,-384 1729,-384 1688,-425 1457,-425 1393,-361
  region net VIN: 1493,-85 1551,-85 1720,84 1801,84 1809,76 1809,-77 1636,-250 1495,-250
  region net GND: 1552.94,301.2 1561.94,292.2 1561.94,277.2 1551,266.27 1551,163.27 1531.94,144.2 1524.94,151.2 1498.94,151.2 1498.94,176.2 1493,182.14 1493,250.14 1465.94,277.2 1465.94,292.2 1474.94,301.2 1479.94,301.2
  region net GND: 1138.94,301 1147.94,292 1147.94,277 1128.94,258 1128.94,155 1117.94,144 1110.94,151 1084.94,151 1084.94,176 1070.94,190 1070.94,258 1051.94,277 1051.94,292 1060.94,301 1065.94,301
  region net GND: 2064,-295 2038,-295 2017,-274 2017,-265 2007,-255 1964,-255 1954,-265 1954,-311 1961,-318 2018,-318 2064,-318
  region net GND: 2064,-571 2038,-571 2017,-592 2017,-602 2008,-611 1963,-611 1954,-602 1954,-555 1961,-548 2018,-548 2064,-548
  region net +5V: 2072,-327 1948,-327 1941,-334 1941,-527 1953,-539 2068,-539 2068,-519 2065,-516 2011,-516 2004,-509 2004,-357 2011,-350 2066,-350 2071,-345
Bottom Layer:
  rectangle net VIN: 1857,-255 1947,-99
  region net +5V: 666,-243 617,-243 609,-251 609,-271 619,-281 653,-281 668,-296 668,-358 618,-358 603,-343 603,-329 592,-318 562,-318 552,-308 552,-238 560,-230 666,-230
  region net GND: 672,-533 681,-524 681,-506 667,-492 667,-462 659,-454 608,-454 599,-463 599,-493 585,-507 585,-524 594,-533 599,-533
  region net GND: 479,-533 488,-524 488,-506 474,-492 474,-462 466,-454 415,-454 406,-463 406,-493 392,-507 392,-524 401,-533 406,-533
  region net +3.3V: 407.02,-243 456.02,-243 464.02,-251 464.02,-271 454.02,-281 420.02,-281 405.02,-296 405.02,-358 455.02,-358 470.02,-343 470.02,-329 481.02,-318 511.02,-318 521.02,-308 521.02,-238 513.02,-230 407.02,-230
  region net VLED: 1805,361 1829,337 1829,215 1819,205 1651,205 1641,215 1641,321 1681,361

## Silkscreen, mask and mechanical layers (free items; w line width, h text height)
Top Overlay:
  circle w10: c1811.02,511.81 r118.11
  circle w10: c1811.02,-511.81 r118.11
  lines w10: -534.37,-780.96 cw(c-421.26,-814.96) -303.15,-814.96 cw(c-421.26,-814.96) -387.26,-928.07 ; -534.37,780.96 ccw(c-421.26,814.96) -303.15,814.96 ccw(c-421.26,814.96) -387.26,928.07 ; 2158.91,-928.07 cw(c2192.91,-814.96) 2306.02,-780.96 ; 2158.91,928.07 ccw(c2192.91,814.96) 2306.02,780.96
Bottom Overlay:
  text "V+" at -112.12,657.79 h200
  text "V+" at 478.43,657.79 h200
  text "V+" at 1068.98,657.79 h200
  text "V+" at 1659.53,657.79 h200
  text "32" at 1261.11,656.49 h200
  text "33" at 1851.02,656.86 h200
  text "G" at 244.3,656.08 h200
  text "13" at 665.38,655.71 h200
  text "G" at 834.85,656.08 h200
  text "G" at 1425.41,656.08 h200
  text "G" at 2015.96,656.08 h200
  text "4" at 42.78,654.97 h200
  text "WLED" at 206.76,210.85 h200
  text "ESP32" at 191.88,9.8 h180
  text "interface" at 311.71,-207.4 h200
  text "GG 2025" at 300.32,-416.19 h200
  text "V+" at 281.58,-759.54 h200
  text "27" at 673.89,-760.14 h200
  text "V+" at 872.13,-759.54 h200
  text "25" at 1262.32,-760.23 h200
  text "V+" at 1462.68,-759.54 h200
  text "G" at 1598.5,-759.93 h100
  text "V+" at 2053.23,-759.54 h200
  text "G" at -149.4,-761.25 h200
  text "G" at 441.15,-761.25 h200
  text "G" at 1031.7,-761.25 h200
  text "26" at 1851.99,-760.6 h200
  text "14" at 78.58,-762.36 h200
Top Solder:
  rectangle: 2023,-603 2077,-567
  rectangle: 2023,-299 2077,-263
Bottom Solder:
  rectangle: 767.03,-136.12 795.03,-50.12
  rectangle: 725.69,-136.12 753.69,-50.12
  rectangle: 767.03,-253.12 795.03,-167.12
  rectangle: 725.69,-253.12 753.69,-167.12
Mechanical 1:
  lines w10: 2191.75,-946.5 ccw(c2191.75,-816.58) 2321.67,-816.58 2321.67,813.34 ccw(c2191.75,813.34) 2191.75,943.26 ; -551.18,-814.96 ccw(c-421.26,-814.96) -421.26,-944.88 2192.91,-944.88 ccw(c2192.91,-814.96) 2322.83,-814.96 2322.83,814.96 ccw(c2192.91,814.96) 2192.91,944.88 -421.26,944.88 ccw(c-421.26,814.96) -551.18,814.96 -551.18,-814.96